# Altium PCB PCB2.PcbDoc (part 2 of 2) (continued)
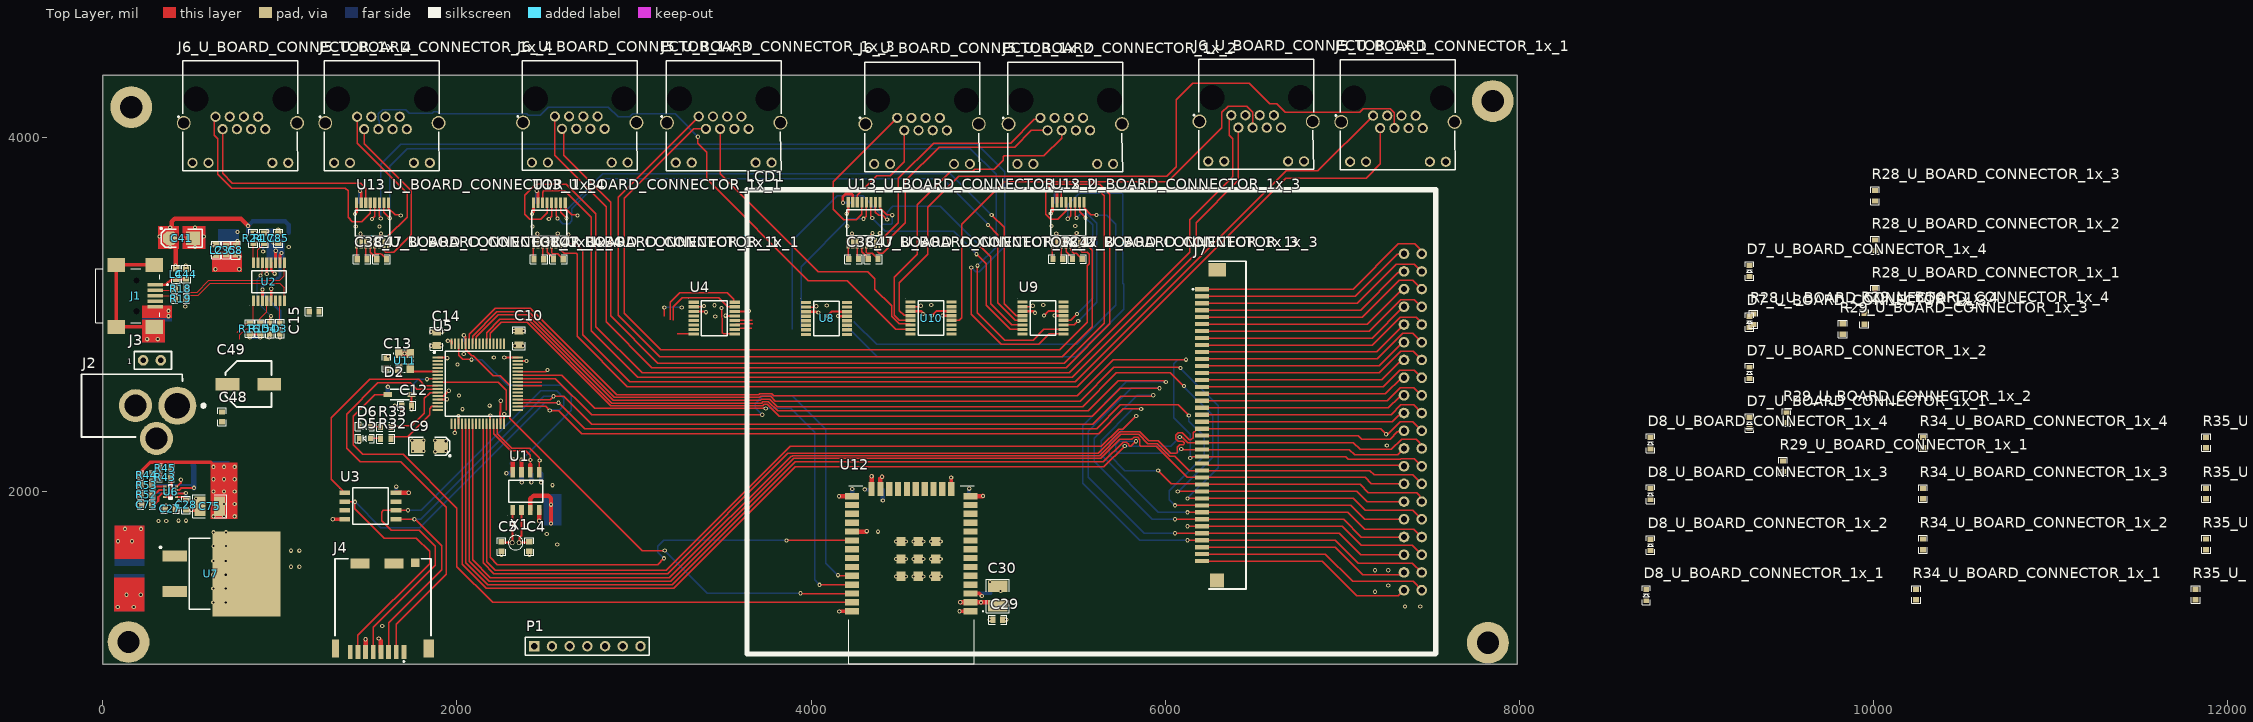
[diagram p0: Top Layer view]
## Nets (pads, with @x,y where several pads share a name; then routed paths per layer and width w, separated by ;. In a path a pad name is that pad's centre, name@x,y a point inside that pad or via, vN(x,y) a via of type N, cw(c..) or ccw(c..) an arc to the next point about the centre after c; other vN are vias at no path point) (continued)
NetJ7_16: J7.16 LCD1.16 | length 1178
  Top Layer w8: J7.16@6208.66,2551.18 7243.48,2551.18 7334.82,2642.52 LCD1.16@7348.82,2642.52
NetJ7_17: J7.17 LCD1.17 | length 1289.4
  Top Layer w8: J7.17@6208.66,2511.81 7253,2511.81 7327.8,2586.61 7404.72,2586.61 LCD1.17@7448.82,2542.52
NetJ7_18: J7.18 LCD1.18 | length 1169.2
  Top Layer w8: J7.18@6208.66,2472.44 7260.61,2472.44 7320.74,2532.57 7338.87,2532.57 LCD1.18@7348.82,2542.52
NetJ7_19: J7.19 LCD1.19 | length 1281.9
  Top Layer w8: J7.19@6208.66,2433.07 7275.59,2433.07 7330.71,2488.19 7403.15,2488.19 LCD1.19@7448.82,2442.52
NetJ7_20: J7.20 LCD1.20 | length 1160.4
  Top Layer w8: J7.20@6208.66,2393.7 7282.19,2393.7 7318.21,2429.73 7321.95,2429.73 7334.75,2442.52 LCD1.20@7348.82,2442.52
NetJ7_22: J7.22 LCD1.22 | length 1167.9
  Top Layer w8: J7.22@6208.66,2314.96 7090.57,2314.96 7110.25,2295.28 7270.75,2295.28 7311.71,2336.24 7342.53,2336.24 LCD1.22@7348.82,2342.52
NetJ7_26: J7.26 LCD1.26 | length 1146.4
  Top Layer w8: J7.26@6208.66,2157.48 6236.22,2157.48 6246.29,2147.41 7343.93,2147.41 LCD1.26@7348.82,2142.52
NetR4_2: R4.2 U4.2 | length 62.5
  Top Layer w8: U4.2@3337.73,3042.56 3385.91,3042.56 3391.02,3047.68 v1@3398.09,3047.68
  other v1: 3395.43,3047.76
NetR5_2: R5.2 U8.2 | length 62.5
  Top Layer w8: U8.2@3972.01,3040.59 4020.18,3040.59 4025.3,3045.71 v1@4032.36,3045.71
  other v1: 4029.71,3045.79
NetR6_2: R6.2 U9.2 | length 62.5
  Top Layer w8: U9.2@5194.72,3043.19 5242.9,3043.19 5248.02,3048.31 v1@5255.08,3048.31
  other v1: 5252.43,3048.38
NetR11_2: R11.2 U10.2 | length 62.5
  Top Layer w8: U10.2@4562.28,3043.19 4610.46,3043.19 4615.58,3048.31 v1@4622.64,3048.31
  other v1: 4619.98,3048.38
NetR12_2: R12.2 U12.25 | length 71.2
  Top Layer w25: v1@4161.42,1972.44 4162.38,1973.41 U12.25@4232.2,1973.41
  other v1: 4157.48,1972.44
NetR13_2: R13.2 U12.29 | length 83.7
  Top Layer w25: U12.29@4232.2,1773.41 4312.78,1773.41 v1(4314.96,1775.59)
NetR17_2: R17.2 U2.15 | length 124.5
  Top Layer w7: U2.15@876.31,3291.13 876.31,3365.36 896.79,3385.84 896.79,3388.34 908.29,3399.84 R17.2@910.79,3399.84
NetR20_2: R20.2 U12.23 | length 73.9
  Top Layer w25: U12.23@4391.85,2012.78 4391.85,2072.95 v1(4401.57,2082.68)
NetR21_1: R21.1 U12.14 | length 69.8
  Top Layer w25: U12.14@4901.5,1973.41 4969.55,1973.41 v1(4970.77,1974.63)
NetR23_1: R23.1 R24.2 R25.1 | length 86.3
  Bottom Layer w10: R23.1@820.79,3399.84 868.29,3447.34 868.29,3449.84 878.29,3459.84 R25.1@880.79,3459.84
  other v2: 860.11,3461.27
NetR26_1: R26.1 U12.24 | length 73.3
  Top Layer w25: U12.24@4341.85,2012.78 4341.85,2085.42 v1(4342.34,2085.91)
NetR32_2: R32.2 U5.15 | length 360.8
  Top Layer w8: R32.2@1628.43,2297.3 1639.34,2308.22 1721.61,2308.22 1845.82,2432.44 1845.82,2467.87 1858.27,2480.32 1891.81,2480.32 U5.15@1892.44,2479.69
NetR33_2: R33.2 U5.11 | length 394.3
  Top Layer w8: R33.2@1628.43,2364.23 1633.02,2368.83 1706.38,2368.83 1707.01,2369.46 1745.87,2369.46 1817.02,2440.61 1817.02,2525.68 1849.76,2558.43 U5.11@1892.44,2558.43
NetR43_2: R43.2 U6.8 | length 149.9
  Top Layer w12: U6.8@350.72,1967.78 U6.8@350.72,1967.78 375.66,1967.73 388.13,1980.2 R43.2@388.13,2087.55
NetR52_1: R52.1 U6.6 | length 84.2
  Top Layer w12: R52.1@277.51,1980.62 291.58,1980.62 318.11,2007.15 U6.6@350.72,2007.15
NetR53_1: R53.1 U6.5 | length 76.9
  Top Layer w12: R53.1@277.51,2035.73 286.41,2026.83 U6.5@350.72,2026.83
nRST: C12.1 D1.1 D2.1 R10.1 U5.7 | length 278
  Top Layer w8: v1(1830.71,2633.86) 1835.04,2633.86 1838.35,2637.17 U5.7@1892.44,2637.17
  Top Layer w12: C12.1@1744.09,2484.25 D2.1@1744.09,2547.24
  Bottom Layer w8: D1.1@1744.09,2547.24 1744.09,2597.43 1780.52,2633.86 v1(1830.71,2633.86)
  other v1: 1744.09,2464.57
RS232_RX_L_U_BOARD_CONNECTOR_1x_1: J6_U_BOARD_CONNECTOR_1x_1.1 U13_U_BOARD_CONNECTOR_1x_1.13 | length 6088
  Top Layer w8: U13_U_BOARD_CONNECTOR_1x_1.13@2509.43,3630.83 2509.43,3573.23 2474.38,3538.17 2410.23,3538.17 2382.34,3566.06 2382.34,3673.88 2444.51,3736.05 2618.47,3736.05 2785,3569.52 2785,2930 3046.03,2668.97 5458.97,2668.97 6140,3350 6140,3535.31 6381.89,3777.2 6381.89,3992.13 6362.2,4011.81 6362.2,4094.94 6363.75,4096.48 6363.75,4114.93 J6_U_BOARD_CONNECTOR_1x_1.1@6373.23,4124.41
RS232_RX_L_U_BOARD_CONNECTOR_1x_2: J6_U_BOARD_CONNECTOR_1x_2.1 U13_U_BOARD_CONNECTOR_1x_2.13 | length 931.4
  Top Layer w8: U13_U_BOARD_CONNECTOR_1x_2.13@4286.93,3632.36 4286.93,3565.55 4255.51,3534.13 4185.51,3534.13 4125,3594.64 4125,3747.83 J6_U_BOARD_CONNECTOR_1x_2.1@4486.61,4109.45
RS232_RX_L_U_BOARD_CONNECTOR_1x_3: J6_U_BOARD_CONNECTOR_1x_3.1 U13_U_BOARD_CONNECTOR_1x_3.13 | length 5796.3
  Top Layer w8: J6_U_BOARD_CONNECTOR_1x_3.1@2553.54,4117.72 2553.54,3897.59 2843.07,3608.07 2843.07,2956.93 3100.23,2699.77 5440.89,2699.77 5687.31,2946.19 5687.31,3677.69 5630,3735 5355,3735 5325,3705 5325,3566.18 5352.86,3538.31 5393.44,3538.31 5440.12,3584.99 U13_U_BOARD_CONNECTOR_1x_3.13@5440.12,3632.92
RS232_RX_L_U_BOARD_CONNECTOR_1x_4: J6_U_BOARD_CONNECTOR_1x_4.1 U13_U_BOARD_CONNECTOR_1x_4.13 | length 1474.8
  Top Layer w8: J6_U_BOARD_CONNECTOR_1x_4.1@636.94,4115.92 629.92,4108.9 629.92,4011.81 649.61,3992.13 649.61,3791.34 728.15,3712.8 1370.08,3712.8 1385.83,3697.05 1385.83,3547.44 1409.45,3523.82 1463.83,3523.82 1510.83,3570.82 U13_U_BOARD_CONNECTOR_1x_4.13@1510.83,3630.83
RS232_RX_V_U_BOARD_CONNECTOR_1x_1: J5_U_BOARD_CONNECTOR_1x_1.1 U13_U_BOARD_CONNECTOR_1x_1.8 | length 5786.8
  Top Layer w8: U13_U_BOARD_CONNECTOR_1x_1.8@2611.79,3399.49 2670.51,3399.49 2710,3360 2710,2885 2976.57,2618.43 5492.54,2618.43 6684.11,3810 6861.97,3810 J5_U_BOARD_CONNECTOR_1x_1.1@7174.02,4122.05
RS232_RX_V_U_BOARD_CONNECTOR_1x_2: J5_U_BOARD_CONNECTOR_1x_2.1 U13_U_BOARD_CONNECTOR_1x_2.8 | length 1357.7
  Top Layer w8: U13_U_BOARD_CONNECTOR_1x_2.8@4389.29,3401.02 4389.29,3421.2 4394.15,3426.06 4401.06,3426.06 4493.26,3518.26 4493.26,3768.26 4692.5,3967.5 5127.5,3967.5 5261.53,4101.53 5287.35,4101.53 J5_U_BOARD_CONNECTOR_1x_2.1@5295.28,4109.45
RS232_RX_V_U_BOARD_CONNECTOR_1x_3: J5_U_BOARD_CONNECTOR_1x_3.1 U13_U_BOARD_CONNECTOR_1x_3.8 | length 4656.1
  Top Layer w8: J5_U_BOARD_CONNECTOR_1x_3.1@3366.14,4117.32 2910,3661.18 2910,2995 3145,2760 5420,2760 5589.05,2929.05 5589.05,3362.21 5558.65,3392.61 5547.34,3392.61 5542.48,3397.47 U13_U_BOARD_CONNECTOR_1x_3.8@5542.48,3401.58
RS232_RX_V_U_BOARD_CONNECTOR_1x_4: J5_U_BOARD_CONNECTOR_1x_4.1 U13_U_BOARD_CONNECTOR_1x_4.8 | length 877.1
  Top Layer w8: J5_U_BOARD_CONNECTOR_1x_4.1@1436.17,4115.92 1436.17,3965.41 1718.66,3682.91 1718.66,3548.66 1613.19,3443.19 1613.19,3410.8 U13_U_BOARD_CONNECTOR_1x_4.8@1613.19,3399.49
RS232_TX_L_U_BOARD_CONNECTOR_1x_1: J6_U_BOARD_CONNECTOR_1x_1.2 U13_U_BOARD_CONNECTOR_1x_1.14 | length 5663.8
  Top Layer w8: U13_U_BOARD_CONNECTOR_1x_1.14@2483.84,3630.83 2483.84,3689.7 2491.26,3697.12 2610.43,3697.12 2758.77,3548.77 2758.77,2906.23 3020.69,2644.31 5474.18,2644.31 6174.24,3344.36 6174.24,3517.49 6413.39,3756.64 J6_U_BOARD_CONNECTOR_1x_1.2@6413.39,4054.33
RS232_TX_L_U_BOARD_CONNECTOR_1x_2: J6_U_BOARD_CONNECTOR_1x_2.2 U13_U_BOARD_CONNECTOR_1x_2.14 | length 560.9
  Top Layer w8: U13_U_BOARD_CONNECTOR_1x_2.14@4261.34,3632.36 4261.34,3671.34 4372.5,3782.5 4447.5,3782.5 4526.77,3861.77 J6_U_BOARD_CONNECTOR_1x_2.2@4526.77,4039.37
RS232_TX_L_U_BOARD_CONNECTOR_1x_3: J6_U_BOARD_CONNECTOR_1x_3.2 U13_U_BOARD_CONNECTOR_1x_3.14 | length 5207.2
  Top Layer w8: J6_U_BOARD_CONNECTOR_1x_3.2@2593.7,4047.64 2603.14,4038.2 2603.14,3898 2868.07,3633.07 2868.07,2991.93 3135.23,2724.77 5430.89,2724.77 5655,2948.88 5655,3670 5610,3715 5440,3715 5414.53,3689.53 U13_U_BOARD_CONNECTOR_1x_3.14@5414.53,3632.92
RS232_TX_L_U_BOARD_CONNECTOR_1x_4: J6_U_BOARD_CONNECTOR_1x_4.2 U13_U_BOARD_CONNECTOR_1x_4.14 | length 1173.8
  Top Layer w8: J6_U_BOARD_CONNECTOR_1x_4.2@677.1,4045.84 677.17,4045.77 677.17,3795.9 732.71,3740.35 1456.69,3740.35 1485.24,3711.81 U13_U_BOARD_CONNECTOR_1x_4.14@1485.24,3630.83
RS232_TX_V_U_BOARD_CONNECTOR_1x_1: J5_U_BOARD_CONNECTOR_1x_1.2 U13_U_BOARD_CONNECTOR_1x_1.7 | length 5979.5
  Top Layer w8: U13_U_BOARD_CONNECTOR_1x_1.7@2586.2,3399.49 2586.86,3398.83 2586.86,3363.14 2605,3345 2675,3345 2680,3340 2680,2875 2963.23,2591.77 5503.65,2591.77 6681.88,3770 7135,3770 7214.17,3849.17 J5_U_BOARD_CONNECTOR_1x_1.2@7214.17,4051.97
RS232_TX_V_U_BOARD_CONNECTOR_1x_2: J5_U_BOARD_CONNECTOR_1x_2.2 U13_U_BOARD_CONNECTOR_1x_2.7 | length 1466.9
  Top Layer w8: U13_U_BOARD_CONNECTOR_1x_2.7@4363.7,3401.02 4365.33,3399.39 4365.33,3364.67 4385,3345 4405,3345 4435,3375 4435,3420 4533.26,3518.26 4533.26,3753.26 4725,3945 5150,3945 5244.37,4039.37 J5_U_BOARD_CONNECTOR_1x_2.2@5335.43,4039.37
RS232_TX_V_U_BOARD_CONNECTOR_1x_3: J5_U_BOARD_CONNECTOR_1x_3.2 U13_U_BOARD_CONNECTOR_1x_3.7 | length 4527.2
  Top Layer w8: J5_U_BOARD_CONNECTOR_1x_3.2@3406.3,4047.24 3337.24,4047.24 2945,3655 2945,3005 3150,2800 5405,2800 5560,2955 5560,3275 5570,3285 5570,3340 5560,3350 5531.66,3350 5516.89,3364.77 U13_U_BOARD_CONNECTOR_1x_3.7@5516.89,3401.58
RS232_TX_V_U_BOARD_CONNECTOR_1x_4: J5_U_BOARD_CONNECTOR_1x_4.2 U13_U_BOARD_CONNECTOR_1x_4.7 | length 944
  Top Layer w8: J5_U_BOARD_CONNECTOR_1x_4.2@1476.32,4045.84 1476.32,3964.62 1742.29,3698.66 1742.29,3450.76 1642.12,3350.59 1598.43,3350.59 1587.6,3361.42 U13_U_BOARD_CONNECTOR_1x_4.7@1587.6,3399.49
RXD: R15.2 U2.4 U5.51 | length 311.3
  Top Layer w7: 774.79,2859.84 774.79,2883.84 810.79,2919.84 860.79,2919.84 873.45,2932.51 873.45,2938.34 884.95,2949.84 R15.2@887.45,2949.84 887.45,2976.51 926.31,3015.36 U2.4@926.31,3077.59
RXLED: D4.2 U2.14 | length 387.9
  Top Layer w7: v2(890.79,3219.84) 890.79,3221.88 901.35,3232.44 U2.14@901.35,3291.13 ; D4.2@943.96,2951.34 943.96,2978.41 950.79,2985.24 v2(950.79,2989.84)
  Bottom Layer w7: v2(890.79,3219.84) 890.79,3218.89 871.4,3199.5 871.4,3069.23 v2(950.79,2989.84)
SDCARD_CS: J4.2 U5.10 | length 2431.2
  Top Layer w8: J4.2@1657.48,1092.52 1657.48,1249.33 1940.94,1532.79 1940.94,1909.45 1683.07,2167.32 1454.72,2167.32 1377.95,2244.09 1377.95,2437.01 1554.5,2613.55 1736.84,2613.55 1772.28,2578.11 U5.10@1892.44,2578.11
SHIELD: C86.2 J1.MP1 J1.MP2 J1.MP3 J1.MP4 J5_U_BOARD_CONNECTOR_1x_1.MH1 J5_U_BOARD_CONNECTOR_1x_1.MH2 J5_U_BOARD_CONNECTOR_1x_2.MH1 J5_U_BOARD_CONNECTOR_1x_2.MH2 J5_U_BOARD_CONNECTOR_1x_3.MH1 J5_U_BOARD_CONNECTOR_1x_3.MH2 J5_U_BOARD_CONNECTOR_1x_4.MH1 J5_U_BOARD_CONNECTOR_1x_4.MH2 J6_U_BOARD_CONNECTOR_1x_1.MH1 J6_U_BOARD_CONNECTOR_1x_1.MH2 J6_U_BOARD_CONNECTOR_1x_2.MH1 J6_U_BOARD_CONNECTOR_1x_2.MH2 J6_U_BOARD_CONNECTOR_1x_3.MH1 J6_U_BOARD_CONNECTOR_1x_3.MH2 J6_U_BOARD_CONNECTOR_1x_4.MH1 J6_U_BOARD_CONNECTOR_1x_4.MH2 R22.1 | length 777.2
  Top Layer w20: J1.MP2@290.79,2929.45 J1.MP4@77.4,2929.45 J1.MP3@77.4,3279.84 J1.MP1@290.79,3279.84
  other v2: 250.79,2859.84 310.79,2859.84
TXD: R16.2 U2.1 U5.52 | length 228.4
  Top Layer w7: 760.79,2899.84 806.89,2945.94 826.89,2945.94 R16.2@830.79,2949.84 833.29,2949.84 844.79,2961.34 844.79,2963.84 851.35,2970.4 U2.1@851.35,3077.59
TXLED: D3.2 U2.7 | length 124
  Top Layer w7: D3.2@1000.79,2951.34 U2.7@1000.79,3075.34
UART1_RX: U5.43 U12.35 | length 2867.5
  Top Layer w8: U5.43@2344.25,2656.85 2590.97,2656.85 2779.32,2468.5 v1(3744.09,2468.5) ; v1@4047.24,1473.41 U12.35@4232.2,1473.41
  Bottom Layer w8: v1(3744.09,2468.5) 3885.83,2468.5 4019.69,2334.65 4019.69,1500 v1(4047.24,1472.44)
UART1_TX: U5.42 U12.34 | length 2970.4
  Top Layer w8: U5.42@2344.25,2637.17 2556.33,2637.17 2760.43,2433.07 v1(3724.41,2433.07) ; v1(4151.8,1527.19) 4156.13,1527.19 4159.91,1523.41 U12.34@4232.2,1523.41
  Bottom Layer w8: v1(3724.41,2433.07) 3685.04,2472.44 3685.04,2496.06 3728.35,2539.37 3893.7,2539.37 4082.68,2350.39 4082.68,1594.49 v1@4149.61,1527.56
USBDP_N: R18.2 U2.9 | length 677.2
  Top Layer w7: R18.2@469.21,3143.27 469.21,3140.77 480.71,3129.27 483.21,3129.27 486.98,3125.5 532.4,3125.5 599.76,3192.86 1000.79,3192.86 1026.31,3218.38 U2.9@1026.31,3291.13
USBDP_P: R19.2 U2.8 | length 678
  Top Layer w7: R19.2@469.21,3088.61 469.21,3091.11 480.71,3102.61 483.21,3102.61 489.09,3108.5 539.44,3108.5 606.81,3175.86 1000.79,3175.86 1026.31,3150.34 U2.8@1026.31,3077.59
V_SENSE1: U4.4
V_SENSE2: U4.5
V_SENSE3: U4.6
V_SENSE4: U4.7
V_SENSE5: J5_U_BOARD_CONNECTOR_1x_1.3 U4.12 | length 100
  Top Layer w8: U4.12@3569.07,2965.79 3669.06,2965.79
V_SENSE6: J5_U_BOARD_CONNECTOR_1x_2.3 U4.11 | length 103.7
  Top Layer w8: U4.11@3569.07,2940.2 3573.93,2945.06 3597.92,2945.06 3598.79,2945.93 3670.41,2945.93
V_SENSE7: J5_U_BOARD_CONNECTOR_1x_3.3 U4.10 | length 99.3
  Top Layer w8: U4.10@3569.07,2914.61 3573.93,2919.46 3597.92,2919.46 3598.79,2920.34 3666.03,2920.34
V_SENSE8: J5_U_BOARD_CONNECTOR_1x_4.3 U4.9 | length 213.6
  Top Layer w8: v1(3494.48,3035.32) 3494.48,2983.11 3498.74,2978.85 3498.74,2897.2 3506.93,2889.02 U4.9@3569.07,2889.02
VBAT: C2.1 C3.1 J3.2 U1.3 | length 336.3
  Top Layer w25: U1.3@2414.88,1894.96 2414.88,1958.19 2433.07,1976.38 2516.85,1976.38 2531.5,1961.73 v1(2531.5,1818.9)
  other v1: 2531.5,1925.2
VBUS_SENSE: R24.1 U2.16 | length 108.9
  Top Layer w7: R24.1@850.79,3399.84 850.79,3379.84 851.35,3379.28 U2.16@851.35,3291.13
VCC_3V3: C1.1 C6.2 C7.2 C9.1 C10.2 C11.1 C13.2 C14.2 C15.1 C16.1 C17.1 C18.1 C19.1 C20.1 C21.1 C22.1 C23.1 C24.1 C29.1 C30.2 C32.1 C34.2 C36.1 C37.2 C39_U_BOARD_CONNECTOR_1x_1.2 C39_U_BOARD_CONNECTOR_1x_2.2 C39_U_BOARD_CONNECTOR_1x_3.2 C39_U_BOARD_CONNECTOR_1x_4.2 D1.2 J4.4 J7.2 J7.38 J7.39 L2.1 LCD1.2 LCD1.38 LCD1.39 P1.1 R1.2 R2.2 R3.2 R4.1 R5.1 R6.1 R10.2 R11.1 R12.1 R13.1 R14.1 R20.1 R27.2 R28_U_BOARD_CONNECTOR_1x_1.1 R28_U_BOARD_CONNECTOR_1x_2.1 R28_U_BOARD_CONNECTOR_1x_3.1 R28_U_BOARD_CONNECTOR_1x_4.1 R29_U_BOARD_CONNECTOR_1x_1.1 R29_U_BOARD_CONNECTOR_1x_2.1 R29_U_BOARD_CONNECTOR_1x_3.1 R29_U_BOARD_CONNECTOR_1x_4.1 R34_U_BOARD_CONNECTOR_1x_1.2 R34_U_BOARD_CONNECTOR_1x_2.2 R34_U_BOARD_CONNECTOR_1x_3.2 R34_U_BOARD_CONNECTOR_1x_4.2 R35_U_BOARD_CONNECTOR_1x_1.2 R35_U_BOARD_CONNECTOR_1x_2.2 R35_U_BOARD_CONNECTOR_1x_3.2 R35_U_BOARD_CONNECTOR_1x_4.2 U1.8 U3.8 U4.13 U5.1 U5.13 U5.19 U5.32 U5.48 U5.64 U7.4 U8.13 U9.13 U10.13 U11.1 U11.4 U12.2 U13_U_BOARD_CONNECTOR_1x_1.16 U13_U_BOARD_CONNECTOR_1x_2.16 U13_U_BOARD_CONNECTOR_1x_3.16 U13_U_BOARD_CONNECTOR_1x_4.16 | length 5511
  Top Layer w8: J7.39@6208.66,1645.67 6905.51,1645.67 7059.68,1491.5 7250.31,1491.5 7399.83,1491.5 LCD1.39@7448.82,1442.52 ; J7.38@6208.66,1685.04 6960.63,1685.04 7115.95,1529.72 7321.94,1529.72 7334.75,1542.52 LCD1.38@7348.82,1542.52 ; J7.2@6208.66,3102.36 7073.4,3102.36 7311.51,3340.46 7346.76,3340.46 LCD1.2@7348.82,3342.52
  Top Layer w12: U5.13@1892.44,2519.06 1942.48,2519.06 v1(1943.8,2520.38) ; U5.1@1892.44,2755.28 1939.42,2755.28 1942.23,2752.46 v1(1945.48,2752.46) ; v1@1952.76,2850.39 1970.61,2850.39 1970.71,2850.3 U5.64@1970.71,2833.54 ; v1(2009.05,2425.86) 2010.08,2424.83 U5.19@2010.08,2381.73 ; v1@2263.45,2441.62 2265.98,2439.09 U5.32@2265.98,2381.73 ; v1(2267.72,2755.91) 2268.35,2755.28 U5.48@2344.25,2755.28 ; v1@3515.8,2991.24 3515.94,2991.38 U4.13@3569.07,2991.38 ; v1@4150.08,2989.27 4150.22,2989.41 U8.13@4203.35,2989.41 ; v1@4740.35,2991.86 4740.49,2992.01 U10.13@4793.62,2992.01 ; v1@5372.79,2991.86 5372.94,2992.01 U9.13@5426.06,2992.01
  Top Layer w15: v1(1425.2,3567.13) 1425.2,3569.56 1434.06,3578.42 U13_U_BOARD_CONNECTOR_1x_4.16@1434.06,3630.83 ; v1(2423.8,3567.13) 2423.8,3569.56 2432.66,3578.42 U13_U_BOARD_CONNECTOR_1x_1.16@2432.66,3630.83 ; v1(4201.3,3568.66) 4201.3,3571.09 4210.16,3579.95 U13_U_BOARD_CONNECTOR_1x_2.16@4210.16,3632.36 ; v1(5354.49,3569.22) 5354.49,3571.65 5363.35,3580.51 U13_U_BOARD_CONNECTOR_1x_3.16@5363.35,3632.92
  Top Layer w25: v1(1559.06,1169.29) 1570.87,1157.48 J4.4@1570.87,1092.52 ; C13.2@1602.36,2751.97 1605.08,2751.97 1607.58,2754.47 1607.58,2757.19 v1(1612.65,2762.25) ; U3.8@1656.5,1992.32 1728.15,1992.32 v1(1728.35,1992.13) ; U11.1@1671.55,2777.46 U11.1@1672.36,2778.27 v1(1704.84,2778.27) U11.4@1737.32,2778.27 ; U1.8@2314.88,2107.56 v1@2314.88,2181.02 ; v1(4842.52,1374.02) 4900.89,1374.02 U12.2@4901.5,1373.41 C30.2@5012.54,1373.41 ; v1@4959.66,1373.41 C30.2@5012.54,1373.41 ; C30.2@5055.12,1354.33 5031.61,1354.33 C30.2@5012.54,1373.41
  Bottom Layer w12: v1@1650.86,2485.57 1652.17,2484.25 R10.2@1686.54,2484.25
  Bottom Layer w25: v1@1609.47,2590.55 1609.47,2548.01 D1.2@1610.24,2547.24 ; C1.1@2311.02,2157.48 2312.46,2157.48 2314.96,2159.98 v1(2314.96,2181.1) ; v1(2366.14,2051.18) R1.2@2366.14,2099.92 ; v1(2420.67,2051.86) 2421.26,2052.45 R3.2@2421.26,2099.92 ; v1(2475.67,2050.05) 2476.38,2050.76 R2.2@2476.38,2099.92 ; v1@4232.87,2011.17 4232.87,1976.73 R12.1@4233.23,1976.38 ; R20.1@4405.51,2009.37 4405.51,1949.94 v1@4406.09,1949.36
  other v1: 5007.87,1275.59 7440.94,1350.39 4959.66,1373.46 7185.04,1555.12 7259.84,1555.12 4378.97,1772.68 4405.51,1948.82 4232.87,2013.8 1877.95,2224.41 1937.01,2228.35 7251.97,2259.84 1937.01,2283.46 1877.95,2287.4 2267.72,2437.01 1649.61,2484.25 1610.24,2590.55 1854.33,2822.83 2326.77,2822.83 2374.02,2822.83 1912.71,2824.06 1948.82,2850.39 4151.76,2990.67 3517.48,2992.64 4742.03,2993.27 5374.47,2993.27 4088.76,3049.72 3454.49,3051.69 4679.04,3052.32 5311.48,3052.32
  other v2: 624.65,1373.15 694.65,1373.15 624.65,1451.15 694.65,1451.15 624.65,1529.15 694.65,1529.15 624.65,1607.15 694.65,1607.15 625.91,1690.74 695.91,1690.74 625.91,1768.74 695.91,1768.74 620.79,3394.84
VCC_3V3_FTDI: C8.1 C35.1 C40.1 L2.2 R9.1 U2.12 | length 69.3
  Top Layer w15: U2.12@951.35,3291.13 951.35,3249.28 v2(970.79,3229.84)
  other v2: 635.79,3254.84 770.79,3254.84 770.79,3324.84 619.31,3332.43 1050.79,3379.84
VCC_5V: C33.2 C74.2 C75.2 C76.1 L6.2 R44.2 U7.3 | length 471.3
  Top Layer w20: R44.2@217.81,2091.63 222.81,2096.63 222.81,2119.69 268.08,2164.96 610.81,2164.96 v1@635.15,2140.62
  other v1: 625.51,1859.35 685.24,1859.35 744.97,1859.35 625.51,1929.23 685.24,1929.23 744.97,1929.23 625.51,1999.11 685.24,1999.11 744.97,1999.11 625.51,2069 685.24,2069 744.97,2069 200.51,2090.13 625.51,2138.88 685.24,2138.88 744.97,2138.88
  other v2: 84.8,1346.69 174.8,1346.69 134.8,1416.69 214.8,1416.69
VCC_12V: C26.2 C27.2 C48.2 C49.1 J2.1 J5_U_BOARD_CONNECTOR_1x_1.7 J5_U_BOARD_CONNECTOR_1x_1.8 J5_U_BOARD_CONNECTOR_1x_2.7 J5_U_BOARD_CONNECTOR_1x_2.8 J5_U_BOARD_CONNECTOR_1x_3.7 J5_U_BOARD_CONNECTOR_1x_3.8 J5_U_BOARD_CONNECTOR_1x_4.7 J5_U_BOARD_CONNECTOR_1x_4.8 J6_U_BOARD_CONNECTOR_1x_1.7 J6_U_BOARD_CONNECTOR_1x_1.8 J6_U_BOARD_CONNECTOR_1x_2.7 J6_U_BOARD_CONNECTOR_1x_2.8 J6_U_BOARD_CONNECTOR_1x_3.7 J6_U_BOARD_CONNECTOR_1x_3.8 J6_U_BOARD_CONNECTOR_1x_4.7 J6_U_BOARD_CONNECTOR_1x_4.8 R52.2 U6.2 | length 451.4
  Top Layer w12: U6.2@416.71,1987.46 466.13,1987.46 v1(469.43,1990.77)
  Bottom Layer w12: v1(200.51,1980.13) 211.14,1990.77 v1(469.43,1990.77) ; C26.2@447.42,1875.93 C26.2@469.43,1897.94
  Bottom Layer w20: C26.2@469.43,1897.94 v1(469.43,1990.77)
  other v1: 427.91,1834.73 470.11,1834.73 428.41,1902.43
VCC_FTDI: C41.1 C42.2 C43.2 L4.1 R9.2 R23.2 | length 1041
  Top Layer w25: 359.61,3485.55 386.85,3485.55 388.64,3487.34 388.64,3522.7 405.79,3539.84 780.79,3539.84 v2(820.79,3499.84) ; C41.1@380.87,3429.84 380.87,3424.31 413.35,3391.83 L4.1@413.35,3256.9
  Bottom Layer w25: R23.2@820.79,3459.84 v2(820.79,3499.84) 845.79,3524.84 1030.79,3524.84 1050.79,3504.84 R9.2@1050.79,3459.84
  other v2: 410.79,3274.37 380.79,3379.84 320.79,3439.84 380.79,3489.84
VCCIO: C85.2 R15.1 R16.1 R17.1 R30.2 R31.2 U2.3 U2.10 U2.11 | length 1005.2
  Top Layer w16: R16.1@830.79,2889.84 R15.1@887.45,2889.84 ; U2.3@901.35,3077.59 901.35,3138.2 v2@902.28,3139.13 ; U2.11@976.31,3291.13 976.31,3358.3 v2(976.91,3358.9) ; U2.10@1001.35,3291.13 1001.35,3335.87
  Bottom Layer w16: R30.2@1000.79,2949.84 1000.79,3019.84 901.64,3118.99 v2(901.64,3140.74) 901.64,3165.69 936.09,3200.15 979.28,3200.15 983.97,3204.84 991.41,3204.84 1000.79,3214.22 1000.79,3335.31 1009.42,3343.94 v2(1009.42,3346.11)
  Bottom Layer w20: v2(830.79,2869.84) 858.95,2869.84 ; v2(889.34,2868.71) 888.25,2868.71 887.12,2869.84 858.95,2869.84 ; R30.2@1000.79,2949.84 R31.2@944.12,2949.84 890.79,2949.84 858.95,2918.01 858.95,2869.84
  other v2: 965.5,3403.16 930.79,3469.84
WIFI_GPIO1: R8.1 U5.60 U12.36 | length 2966.7
  Top Layer w8: U5.60@2049.45,2833.54 2051.35,2831.64 2051.35,2800.83 2085.09,2767.09 2092.2,2767.09 2205.76,2653.54 2244.09,2653.54 2299.21,2598.43 2299.21,2413.39 3046.46,1666.14 v1(3173.8,1666.14) ; v1(3940.94,1425.2) 3942.74,1423.41 U12.36@4232.2,1423.41
  Top Layer w12: 2048.41,2873.55 2049.45,2872.51 U5.60@2049.45,2833.54
  Bottom Layer w8: v1(3173.8,1666.14) 3414.74,1425.2 v1(3940.94,1425.2)
  Bottom Layer w12: R8.1@2039.37,2848.9 v1(2039.37,2881.89)
WIFI_GPIO2: D2.2 U12.37 | length 3790.2
  Top Layer w8: D2.2@1610.24,2547.24 1535.43,2547.24 1413.39,2425.2 1413.39,2263.78 1468.5,2208.66 1696.85,2208.66 2000,1905.51 2000,1574.8 2201.4,1373.41 U12.37@4232.2,1373.41
WIFI_GPIO3: R7.1 U5.28 U12.30 | length 3006
  Top Layer w8: U5.28@2187.24,2381.73 2187.24,1627.72 2228.35,1586.61 3133.86,1586.61 v1(3169.29,1622.05) ; v1(3862.2,1723.41) U12.30@4232.2,1723.41
  Top Layer w12: U5.28@2187.24,2381.73 2187.24,2424.4 v1@2188.22,2425.37
  Bottom Layer w8: v1(3169.29,1622.05) 3133.86,1657.48 3133.86,1688.98 3168.29,1723.41 v1(3862.2,1723.41)
  other v1: 2188.98,2429.13
X1: C5.1 U1.1 X1.1 | length 248.2
  Top Layer w12: C5.1@2251.97,1716.54 2257.95,1710.55 X1.1@2312.17,1710.55 2314.88,1713.27 U1.1@2314.88,1894.96
X2: C4.2 U1.2 X1.2 | length 250.3
  Top Layer w12: U1.2@2364.88,1894.96 2364.88,1750.71 2354.33,1740.16 2354.33,1713.35 X1.2@2351.54,1710.55 2403.46,1710.55 C4.2@2409.45,1716.54
X_25M: U5.5 U11.3 | length 182.6
  Top Layer w12: U11.3@1749.76,2708.03 U11.3@1737.32,2695.59 1737.32,2692.19 1752.98,2676.54 U5.5@1892.44,2676.54
pads on no net: J1.4 J1.MH1 J1.MH2 J2.3 J4.1 J4.8 J4.9 J4.10 J4.11 J4.12 J4.13 J5_U_BOARD_CONNECTOR_1x_1.9 J5_U_BOARD_CONNECTOR_1x_1.10 J5_U_BOARD_CONNECTOR_1x_1.11 J5_U_BOARD_CONNECTOR_1x_1.12 J5_U_BOARD_CONNECTOR_1x_1.MH3 J5_U_BOARD_CONNECTOR_1x_1.MH4 J5_U_BOARD_CONNECTOR_1x_2.9 J5_U_BOARD_CONNECTOR_1x_2.10 J5_U_BOARD_CONNECTOR_1x_2.11 J5_U_BOARD_CONNECTOR_1x_2.12 J5_U_BOARD_CONNECTOR_1x_2.MH3 J5_U_BOARD_CONNECTOR_1x_2.MH4 J5_U_BOARD_CONNECTOR_1x_3.9 J5_U_BOARD_CONNECTOR_1x_3.10 J5_U_BOARD_CONNECTOR_1x_3.11 J5_U_BOARD_CONNECTOR_1x_3.12 J5_U_BOARD_CONNECTOR_1x_3.MH3 J5_U_BOARD_CONNECTOR_1x_3.MH4 J5_U_BOARD_CONNECTOR_1x_4.9 J5_U_BOARD_CONNECTOR_1x_4.10 J5_U_BOARD_CONNECTOR_1x_4.11 J5_U_BOARD_CONNECTOR_1x_4.12 J5_U_BOARD_CONNECTOR_1x_4.MH3 J5_U_BOARD_CONNECTOR_1x_4.MH4 J6_U_BOARD_CONNECTOR_1x_1.3 J6_U_BOARD_CONNECTOR_1x_1.9 J6_U_BOARD_CONNECTOR_1x_1.10 J6_U_BOARD_CONNECTOR_1x_1.11 J6_U_BOARD_CONNECTOR_1x_1.12 J6_U_BOARD_CONNECTOR_1x_1.MH3 J6_U_BOARD_CONNECTOR_1x_1.MH4 J6_U_BOARD_CONNECTOR_1x_2.3 J6_U_BOARD_CONNECTOR_1x_2.9 J6_U_BOARD_CONNECTOR_1x_2.10 J6_U_BOARD_CONNECTOR_1x_2.11 J6_U_BOARD_CONNECTOR_1x_2.12 J6_U_BOARD_CONNECTOR_1x_2.MH3 J6_U_BOARD_CONNECTOR_1x_2.MH4 J6_U_BOARD_CONNECTOR_1x_3.3 J6_U_BOARD_CONNECTOR_1x_3.9 J6_U_BOARD_CONNECTOR_1x_3.10 J6_U_BOARD_CONNECTOR_1x_3.11 J6_U_BOARD_CONNECTOR_1x_3.12 J6_U_BOARD_CONNECTOR_1x_3.MH3 J6_U_BOARD_CONNECTOR_1x_3.MH4 J6_U_BOARD_CONNECTOR_1x_4.3 J6_U_BOARD_CONNECTOR_1x_4.9 J6_U_BOARD_CONNECTOR_1x_4.10 J6_U_BOARD_CONNECTOR_1x_4.11 J6_U_BOARD_CONNECTOR_1x_4.12 J6_U_BOARD_CONNECTOR_1x_4.MH3 J6_U_BOARD_CONNECTOR_1x_4.MH4 J7.41 J7.42 U2.2 U2.6 U3.3 U3.7 U5.2 U5.3 U5.4 U5.6 U5.14 U5.16 U5.17 U5.24 U5.25 U5.61 U12.4 U12.5 U12.6 U12.7 U12.8 U12.9 U12.10 U12.11 U12.12 U12.13 U12.16 U12.17 U12.18 U12.19 U12.20 U12.21 U12.22 U12.26 U12.27 U12.28 U12.31 U12.32 U12.33

## Polygon pours and split planes (outlines as drawn)
GND on Layer 1 (split plane): 7968.09,4330.3 7968.09,1043.72 20.1,1043.72 20.1,4330.3
VCC_3V3_FTDI on Layer 2 (split plane): 1090.71,3204.92 285.86,3204.92 285.86,3529.77 1090.71,3529.77
VCC_5V on Layer 2 (split plane): 7968.09,4330.3 7968.09,1043.72 20.1,1043.72 20.1,4330.3

## Other copper
Top Layer:
  region net VCC_5V: 760.71,2164.13 607.75,2164.13 607.75,1844.93 760.71,1844.93
  region net VCC_3V3_FTDI: 785.79,3354.84 615.79,3354.84 615.79,3239.84 785.79,3239.84
  region net GND: 775.79,3414.84 675.79,3414.84 675.79,3369.84 775.79,3369.84
  region net VCC_FTDI: 430.51,3499.84 310.79,3499.84 310.79,3369.84 430.51,3369.84
  region net GND: 580.79,3499.84 450.79,3499.84 450.79,3369.84 580.79,3369.84
  region net GND: 390.79,3049.84 220.79,3049.84 220.79,2979.84 390.79,2979.84
  region net SHIELD: 350.79,2969.84 220.79,2969.84 220.79,2839.84 350.79,2839.84
  region net VCC_5V: 64.65,1513.15 64.65,1323.15 234.65,1323.15 234.65,1513.15
  region net GND: 235.91,1618.74 235.91,1808.74 65.91,1808.74 65.91,1618.74
  text "TOP" at 1390.55,635.43 h59.06
Bottom Layer:
  region net VBAT: 2488.19,1984.25 2488.19,1807.09 2590.55,1807.09 2590.55,1984.25
  region net VCC_5V: 715.51,2170.77 615.11,2170.77 615.11,1845.53 715.51,1845.53
  region net VCCIO: 1025.79,3449.84 925.79,3449.84 925.79,3309.84 1025.79,3309.84
  region net VCCIO: 965.79,3484.84 920.79,3484.84 920.79,3394.84 965.79,3394.84
  region net VCC_3V3_FTDI: 785.79,3354.84 615.79,3354.84 615.79,3239.84 785.79,3239.84
  region net GND: 770.79,3481.02 649.61,3481.02 649.61,3364.84 770.79,3364.84
  rectangle net VCC_FTDI: 310.79,3369.84 430.79,3499.84
  region net GND: 580.79,3499.84 450.79,3499.84 450.79,3369.84 580.79,3369.84
  region net GND: 390.79,3049.84 350.79,3049.84 350.79,2959.84 390.79,2959.84
  region net GND: 390.79,3009.84 220.79,3009.84 220.79,2959.84 390.79,2959.84
  region net SHIELD: 350.79,2939.84 220.79,2939.84 220.79,2839.84 350.79,2839.84
  region net VCC_5V: 64.65,1533.15 64.65,1323.15 234.65,1323.15 234.65,1533.15
  region net GND: 793.78,1754.49 793.78,1564.49 933.78,1564.49 933.78,1754.49
  region net GND: 235.91,1578.74 235.91,1808.74 65.91,1808.74 65.91,1578.74
  text "BOT" at 1567.63,633.82 h59.06
Layer 2 (plane layer: these items are gaps in the copper):
  lines w30: 648.46,1313.11 1012.68,1313.11 1012.68,1608.27 ; 270.79,3189.84 1105.79,3189.84 1105.79,3544.84 270.79,3544.84 270.79,3189.84

## Dimensions
7988.19,1023.62 to 7988.19,4350.39 on Top Layer
7988.19,1023.62 to 0,1023.62 on Top Layer

## Text inside footprints (layer, text, board x,y; h text height)
J3: Top Overlay "1" at 138.38,2718.03 h30